# KiCad board jetson-orin-baseboard.kicad_pcb (continued)
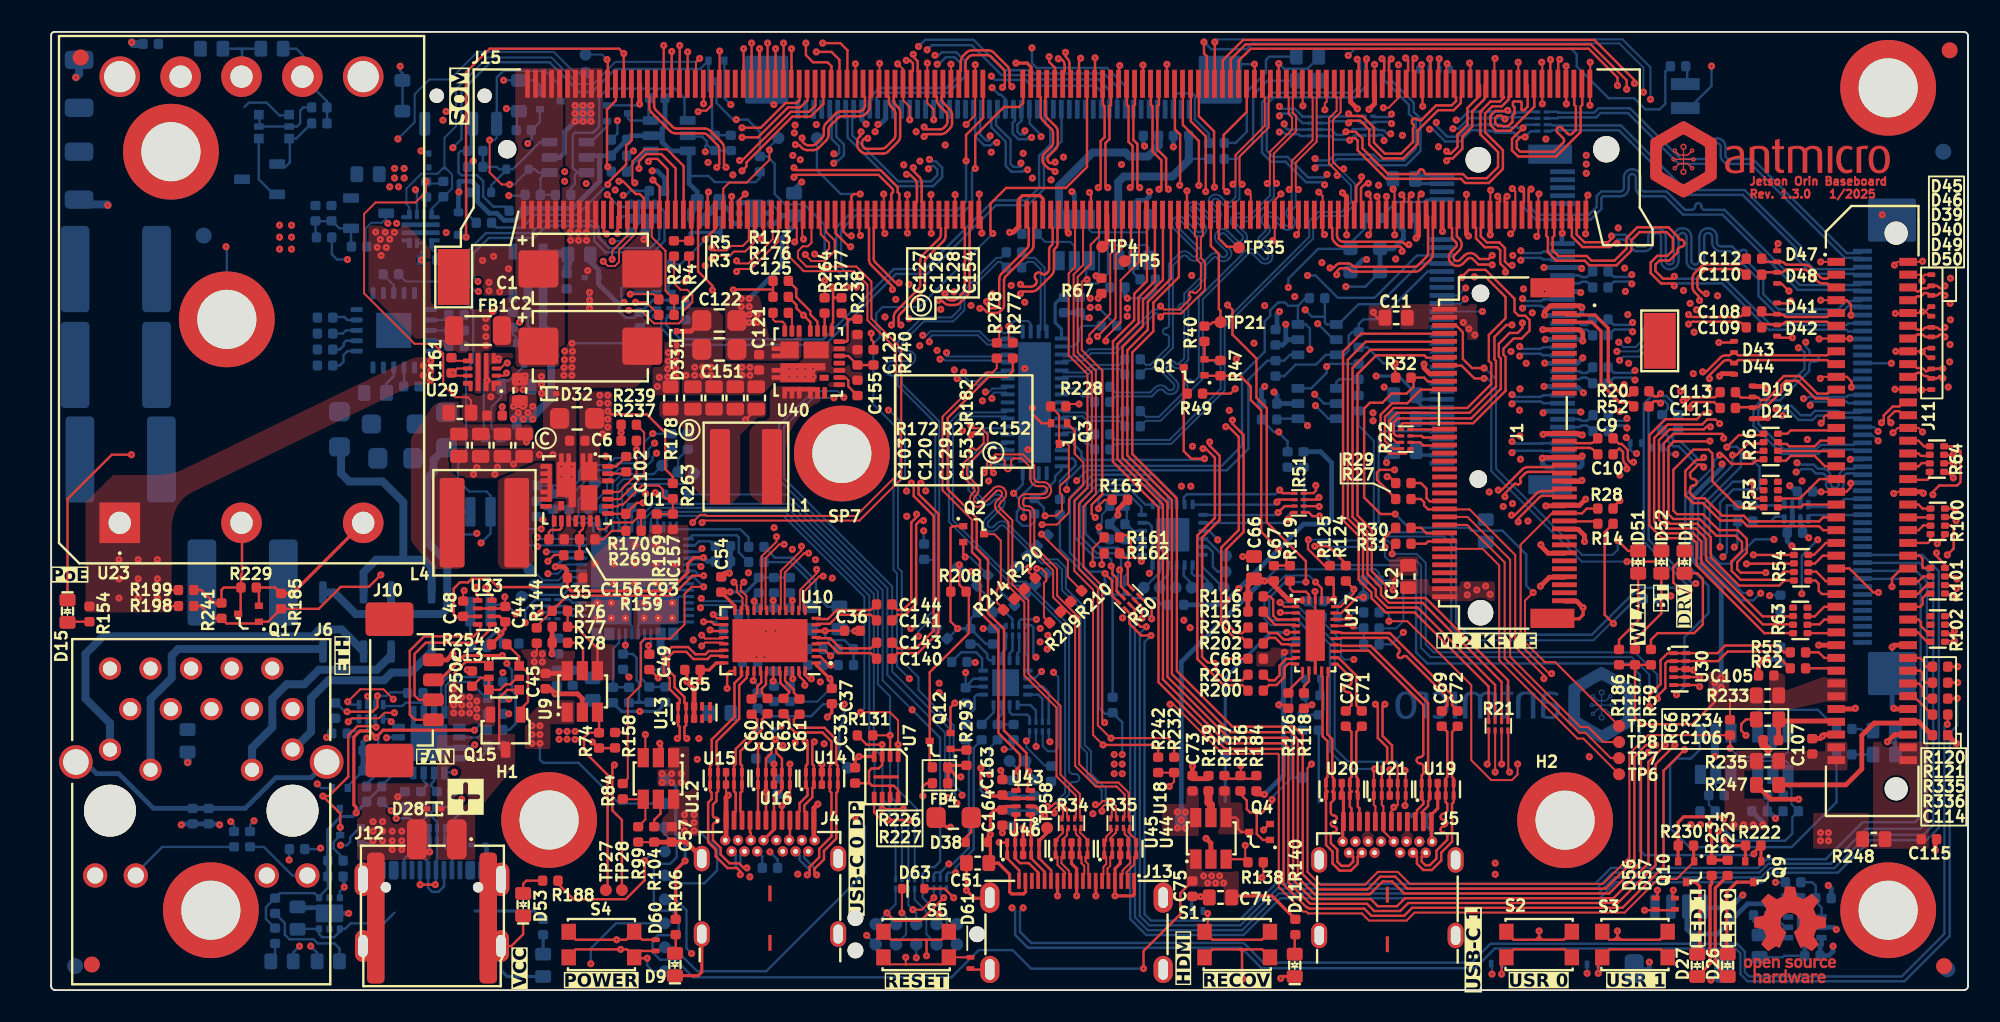
[diagram p0: board, top side]
## Library data of the parts (continued)
R249 R270 = -: Datasheet: https://www.bourns.com/docs/product-datasheets/cr.pdf; Author: Antmicro; License: Apache-2.0; Tolerance: 1%; Val: 100k; OldValue: R_100k_0402; Manufacturer 1: Bourns; Field12: License: Apache-2.0; Field13: Author: Antmicro
R253 = -: Datasheet: https://fscdn.rohm.com/en/products/databook/datasheet/passive/resistor/chip_resistor/pmr-jpw-e.pdf; Author: Antmicro; License: Apache-2.0; Max. Curr.: 22.4A; Tolerance: template_tolerance; Val: 0R; OldValue: R_0R_22.4A_0603; Manufacturer 1: ROHM Semiconductor; Field13: License: Apache-2.0; Field15: Author: Antmicro
R261 = -: Datasheet: https://www.bourns.com/docs/product-datasheets/cr.pdf; Author: Antmicro; License: Apache-2.0; Tolerance: 1%; Val: 200k; OldValue: R_200k_0402; Manufacturer 1: Bourns; Field12: License: Apache-2.0; Field14: Author: Antmicro
R262 = -: Datasheet: https://www.bourns.com/docs/product-datasheets/cr.pdf; Author: Antmicro; License: Apache-2.0; Tolerance: 1%; Val: 4k7; OldValue: R_4k7_0402; Manufacturer 1: Bourns; Field12: Author: Antmicro; Field13: License: Apache-2.0
R263 = -: Datasheet: https://www.bourns.com/docs/product-datasheets/cr.pdf; Description: SMD Chip Resistor, 20 kohm, ± 1%, 62.5 mW, 0402 [1005 Metric], Thick Film, General Purpose; Author: Antmicro; License: Apache-2.0; Tolerance: 1%; Val: 20k; OldValue: R_20k_0402; Manufacturer 1: Bourns; Field12: License: Apache-2.0; Field13: Author: Antmicro
R266 = -: Datasheet: https://www.bourns.com/docs/product-datasheets/cr.pdf; Author: Antmicro; License: Apache-2.0; Tolerance: 1%; Val: 200k; OldValue: R_200k_0402; Manufacturer 1: Bourns; Field13: License: Apache-2.0; Field14: Author: Antmicro
R271 = -: Datasheet: https://www.bourns.com/docs/product-datasheets/cr.pdf; Author: Antmicro; License: Apache-2.0; Tolerance: 1%; Val: 10M; OldValue: R_10M_0402; Manufacturer 1: Bourns; Field13: License: Apache-2.0; Field14: Author: Antmicro
R272 = -: Datasheet: https://www.bourns.com/docs/product-datasheets/cr.pdf; Description: SMD Chip Resistor, 470 kohm, ± 1%, 62.5 mW, 0402 [1005 Metric], Thick Film, Sulfur Resistant; License: Apache-2.0; Author: Antmicro; Val: 470k; Tolerance: 1%; OldValue: R_470k_0402; Manufacturer 1: Bourns; Field12: License: Apache-2.0; Field13: Author: Antmicro
R274 = -: Datasheet: https://www.bourns.com/docs/product-datasheets/cr.pdf; Description: SMD Chip Resistor, 470 kohm, ± 1%, 62.5 mW, 0402 [1005 Metric], Thick Film, Sulfur Resistant; License: Apache-2.0; Author: Antmicro; Val: 470k; Tolerance: 1%; OldValue: R_470k_0402; Manufacturer 1: Bourns; Field12: Author: Antmicro; Field13: License: Apache-2.0
R275 = -: Datasheet: https://www.bourns.com/docs/product-datasheets/cr.pdf; Val: 10k; License: Apache-2.0; Author: Antmicro; Tolerance: 1%; OldValue: R_10k_0402; Manufacturer 1: Bourns; Field13: License: Apache-2.0; Field14: Author: Antmicro
R279 R280 R294 = -: Datasheet: https://www.bourns.com/docs/product-datasheets/cr.pdf; Author: Antmicro; License: Apache-2.0; Tolerance: 1%; Val: 2k2; OldValue: R_2k2_0402; Manufacturer 1: Bourns; Field12: Author: Antmicro; Field13: License: Apache-2.0
REF**#3 REF**#4 = -: Field5: License: Apache-2.0; Field6: Author: Antmicro
S1 S4 = -: Datasheet: http://www.farnell.com/datasheets/2631211.pdf; Author: Antmicro; License: Apache-2.0; OldValue: SW_KMR211NGLFS_SMD; Manufacturer 1: C&K; Field11: Author: Antmicro; Field12: License: Apache-2.0
S2 = -: Datasheet: http://www.farnell.com/datasheets/2631211.pdf; Author: Antmicro; License: Apache-2.0; OldValue: SW_KMR211NGLFS_SMD; Manufacturer 1: C&K; Field11: License: Apache-2.0; Field12: Author: Antmicro
S3 = -: Datasheet: http://www.farnell.com/datasheets/2631211.pdf; Author: Antmicro; License: Apache-2.0; OldValue: SW_KMR211NGLFS_SMD; Manufacturer 1: C&K; Field10: License: Apache-2.0; Field12: Author: Antmicro
S5 = -: Datasheet: http://www.farnell.com/datasheets/2631211.pdf; Author: Antmicro; License: Apache-2.0; OldValue: SW_KMR211NGLFS_SMD; Manufacturer 1: C&K; Field10: Author: Antmicro; Field12: License: Apache-2.0
SP7 = -: Datasheet: https://www.we-online.com/components/products/datasheet/9774025151R.pdf; Author: Antmicro; License: Apache-2.0; OldValue: Spacer_Drill3.7mm_H2.5mm_9774025151R; Manufacturer 1: Würth Elektronik; Field11: License: Apache-2.0; Field12: Author: Antmicro
SP8 = -: Datasheet: https://www.we-online.com/components/products/datasheet/9774025151R.pdf; Author: Antmicro; License: Apache-2.0; OldValue: Spacer_Drill3.7mm_H2.5mm_9774025151R; Manufacturer 1: Würth Elektronik; Field10: Author: Antmicro; Field12: License: Apache-2.0
SW1 = -: Datasheet: https://www.mouser.com/datasheet/2/60/pcm-1841544.pdf; Author: Antmicro; License: Apache-2.0; OldValue: SW_SPDT_PCM12SMTR; Manufacturer 1: C&K; Field11: Author: Antmicro; Field12: License: Apache-2.0
TP1 TP4 TP10 TP14 TP19 TP26 TP32 TP39 TP42 TP56 = -: Author: Antmicro; License: Apache-2.0; Field9: License: Apache-2.0; Field10: Author: Antmicro
TP6 TP8 TP11 TP17 TP27 TP29 TP30 TP33 TP44 TP55 = -: Author: Antmicro; License: Apache-2.0; Field8: Author: Antmicro; Field10: License: Apache-2.0
TP9 TP21 TP58 = -: Author: Antmicro; License: Apache-2.0; Field8: Author: Antmicro; Field9: License: Apache-2.0
TP12 TP22-TP25 TP28 TP36 TP54 TP57 = -: Author: Antmicro; License: Apache-2.0; Field8: License: Apache-2.0; Field10: Author: Antmicro
U1 = -: Datasheet: https://www.vishay.com/docs/74589/sic431.pdf; Author: Antmicro; License: Apache-2.0; Manufacturer 1: Vishay; Field11: License: Apache-2.0; Field12: License:; Field13: Author: Antmicro
U2 = -: Datasheet: https://www.tme.eu/Document/2ad9356043a4952b9021ef50162f8c34/74LVC2G07.pdf; Author: Antmicro; License: Apache-2.0; OldValue: 74LVC2G07_SOT457; Manufacturer 1: Nexperia; Field11: License: Apache-2.0; Field12: Author: Antmicro; ki_fp_filters: SG-74 SOT23-6 TSOP6 SOT457
U3 = -: Datasheet: https://www.tme.eu/Document/2ad9356043a4952b9021ef50162f8c34/74LVC2G07.pdf; Author: Antmicro; License: Apache-2.0; OldValue: 74LVC2G07_SOT457; Manufacturer 1: Nexperia; Field10: Author: Antmicro; Field11: License: Apache-2.0; ki_fp_filters: SG-74 SOT23-6 TSOP6 SOT457
U4 = -: Datasheet: http://www.farnell.com/datasheets/1760723.pdf; Author: Antmicro; License: Apache-2.0; OldValue: NTS0102_XSON; Manufacturer 1: NXP; Field10: License: Apache-2.0; Field11: Author: Antmicro
U5 = -: Datasheet: https://ftdichip.com/wp-content/uploads/2021/10/DS_FT230X.pdf; Author: Antmicro; License: Apache-2.0; OldValue: FT230X_QFN; Manufacturer 1: FTDI Chip; Field10: Author: Antmicro; Field11: License: Apache-2.0
U6 = -: Datasheet: https://www.ti.com/lit/ds/symlink/tps65988.pdf?ts=1662726631004&ref_url=https%253A%252F%252Fwww.ti.com%252Fproduct%252FTPS65988; Author: Antmicro; License: Apache-2.0; Manufacturer 1: Texas Instruments; Field10: License: Apache-2.0; Field11: Author: Antmicro
U7 = -: Datasheet: https://www.mouser.com/datasheet/2/949/w25q80dv_dl_revh_10022015-1489677.pdf; Author: Antmicro; License: Apache-2.0; OldValue: W25Q80DV_USON; Manufacturer 1: Winbond; Field10: License: Apache-2.0; Field11: Author: Antmicro
U8 = -: Datasheet: https://www.onsemi.com/download/data-sheet/pdf/ncp730-d.pdf; Author: Antmicro; License: Apache-2.0; OldValue: NCP730BMT330_WSON; Manufacturer 1: ON Semiconductor; Field10: Author: Antmicro; Field11: License: Apache-2.0
U9 U24 = -: Datasheet: https://www.mouser.com/datasheet/2/115/DIOD_S_A0008958405_1-2543193.pdf; Author: Antmicro; License: Apache-2.0; OldValue: AP22615A_TSOT26; Manufacturer 1: Diodes Incorporated; Field11: License: Apache-2.0; Field12: Author: Antmicro
U10 = -: Datasheet: https://www.ti.com/lit/ds/sllsew2d/sllsew2d.pdf?ts=1662107117482&ref_url=https%253A%252F%252Fwww.google.com%252F; Author: Antmicro; License: Apache-2.0; OldValue: TUSB1046-DCIRNQ; Manufacturer 1: Texas Instruments; Field10: Author: Antmicro; Field12: License: Apache-2.0
U11 U14 U45 U46 = -: Datasheet: https://www.ti.com/lit/ds/symlink/tpd4e05u06-q1.pdf?HQS=dis-mous-null-mousermode-dsf-pf-null-wwe&ts=1663591265741&ref_url=https%253A%252F%252Fwww.mouser.com%252F; Author: Antmicro; License: Apache-2.0; Manufacturer 1: Texas Instruments; Field10: License: Apache-2.0; Field11: Author: Antmicro
U12 U27 = -: Datasheet: https://www.mouser.com/datasheet/2/115/DIOD_S_A0008958405_1-2543193.pdf; Author: Antmicro; License: Apache-2.0; OldValue: AP22615A_TSOT26; Manufacturer 1: Diodes Incorporated; Field10: Author: Antmicro; Field11: License: Apache-2.0
U13 U15 U21 = -: Datasheet: https://www.ti.com/lit/ds/symlink/tpd4e05u06-q1.pdf?HQS=dis-mous-null-mousermode-dsf-pf-null-wwe&ts=1663591265741&ref_url=https%253A%252F%252Fwww.mouser.com%252F; Author: Antmicro; License: Apache-2.0; Manufacturer 1: Texas Instruments; Field11: Author: Antmicro; Field12: License: Apache-2.0
U16 U20 U44 = -: Datasheet: https://www.ti.com/lit/ds/symlink/tpd4e05u06-q1.pdf?HQS=dis-mous-null-mousermode-dsf-pf-null-wwe&ts=1663591265741&ref_url=https%253A%252F%252Fwww.mouser.com%252F; Author: Antmicro; License: Apache-2.0; Manufacturer 1: Texas Instruments; Field11: License: Apache-2.0; Field12: Author: Antmicro
U17 = -: Datasheet: https://www.ti.com/lit/ds/symlink/hd3ss3220.pdf?ts=1663000043694&ref_url=https%253A%252F%252Fwww.google.com%252F; Author: Antmicro; License: Apache-2.0; OldValue: HD3SS3220RNH; Manufacturer 1: Texas Instruments; Field10: License: Apache-2.0; Field11: Author: Antmicro
U18 U25 U28 = -: Datasheet: https://www.mouser.com/datasheet/2/115/DIOD_S_A0008958405_1-2543193.pdf; Author: Antmicro; License: Apache-2.0; OldValue: AP22615A_TSOT26; Manufacturer 1: Diodes Incorporated; Field11: Author: Antmicro; Field12: License: Apache-2.0
U19 = -: Datasheet: https://www.ti.com/lit/ds/symlink/tpd4e05u06-q1.pdf?HQS=dis-mous-null-mousermode-dsf-pf-null-wwe&ts=1663591265741&ref_url=https%253A%252F%252Fwww.mouser.com%252F; Author: Antmicro; License: Apache-2.0; Manufacturer 1: Texas Instruments; Field10: Author: Antmicro; Field12: License: Apache-2.0
U22 = -: Datasheet: https://www.ti.com/lit/ds/symlink/tps2372.pdf?ts=1679042478513&ref_url=https%253A%252F%252Fwww.google.com%252F; Author: Antmicro; License: Apache-2.0; Manufacturer 1: Texas Instruments; Field10: Author: Antmicro; Field11: License: Apache-2.0
U23 = -: Datasheet: https://www.murata.com/products/productdata/8807040286750/uls.pdf?1649388617000; Description: Isolated Through Hole DC/DC Converter, ITE, 2:1, 60 W, 1 Output, 12 V, 5 A; Author: Antmicro; License: Apache-2.0; Alternatives 50W: VCB4812SBO-50WR3, V36SE12004NRFA, PKU5513ESI, KHHD004A2B41Z; Alternatives 75W: VCB4812SBO-75WR3; Alternatives 100W: PKU4913DPIHS, VCB4812SBO-100WFR3; Alternatives 120W: PQC50-48-S12-O; OldValue: ULS-12_5-D48N-C; Manufacturer 1: Murata; Field14: License: Apache-2.0; Field16: Author: Antmicro
U26 = -: Datasheet: https://www.mouser.com/datasheet/2/115/DIOD_S_A0003139195_1-2542233.pdf; Author: Antmicro; License: Apache-2.0; Manufacturer 1: Diodes Incorporated; Field10: License: Apache-2.0; Field11: Author: Antmicro
U29 U48 = -: Datasheet: https://www.ti.com/lit/ds/symlink/lm7310.pdf?ts=1736756241527&ref_url=https%253A%252F%252Fwww.ti.com%252Fpower-management%252Fpower-switches%252Fideal-diodes-oring-controllers%252Fproducts.html%253FkeyMatch%253Dideal+diode%2526tisearch%253Duniversal_search; Description: Integrated Ideal Diode, 5.5A, 23V, -40 to 125 Deg C, VQFN-HR-10; Author: Antmicro; License: Apache-2.0; OldValue: LM73100; Manufacturer 1: Texas Instruments; Field11: Author: Antmicro; Field12: License: Apache-2.0
U30 = -: Datasheet: https://www.ti.com/lit/ds/symlink/tpd4e05u06-q1.pdf?HQS=dis-mous-null-mousermode-dsf-pf-null-wwe&ts=1663591265741&ref_url=https%253A%252F%252Fwww.mouser.com%252F; Author: Antmicro; License: Apache-2.0; Manufacturer 1: Texas Instruments; Field10: Author: Antmicro; Field11: License: Apache-2.0
U31 U32 = -: Datasheet: http://www.farnell.com/datasheets/1760723.pdf; Author: Antmicro; License: Apache-2.0; OldValue: NTS0102_XSON; Manufacturer 1: NXP; Field10: License: Apache-2.0; Field12: Author: Antmicro
U33 = -: Datasheet: http://www.farnell.com/datasheets/1760723.pdf; Author: Antmicro; License: Apache-2.0; OldValue: NTS0102_XSON; Manufacturer 1: NXP; Field10: Author: Antmicro; Field12: License: Apache-2.0
U34 = -: Datasheet: https://eu.mouser.com/datasheet/2/302/PCAL6408A-3139197.pdf; Author: Antmicro; License: Apache-2.0; OldValue: PCAL6408A_VQFN; Manufacturer 1: NXP; Field11: License: Apache-2.0; Field12: Author: Antmicro
U35 = -: Datasheet: https://www.mouser.com/datasheet/2/115/DIOD_S_A0010880137_1-2543666.pdf; Author: Antmicro; License: Apache-2.0; OldValue: AP22653_DFN; Manufacturer 1: Diodes Incorporated; Field10: License: Apache-2.0; Field12: Author: Antmicro
U36 = -: Datasheet: https://www.ti.com/lit/ds/symlink/ts3dv642-q1.pdf?ts=1676983005656&ref_url=https%253A%252F%252Fwww.ti.com%252Fproduct%252FTS3DV642-Q1; Description: Special purpose interface switch; Author: Antmicro; License: Apache-2.0; Manufacturer 1: Texas Instruments; Field10: License: Apache-2.0; Field12: Author: Antmicro
U37 = -: Datasheet: https://assets.nexperia.com/documents/data-sheet/74LVC2G14.pdf; Author: Antmicro; License: Apache-2.0; OldValue: 74LVC2G14_SOT457; Manufacturer 1: Nexperia; Field10: Author: Antmicro; Field12: License: Apache-2.0
U38 = -: Datasheet: https://www.mouser.com/datasheet/2/916/74LVC1G175-1480578.pdf; Author: Antmicro; License: Apache-2.0; OldValue: 74LVC1G175_SOT457; Manufacturer 1: Nexperia; Field11: License: Apache-2.0; Field12: Author: Antmicro
U39 = -: Datasheet: https://docs.broadcom.com/doc/AV02-0470EN; Description: Broadcom ACPL-217-500E DC Input Transistor Output Optocoupler, Surface Mount, 4-Pin SO; Author: Antmicro; License: Apache-2.0; Manufacturer 1: Broadcom; Field11: Author: Antmicro; Field12: License: Apache-2.0
U40 = -: Datasheet: https://www.vishay.com/docs/74589/sic431.pdf; Author: Antmicro; License: Apache-2.0; Manufacturer 1: Vishay; Field10: License: Apache-2.0; Field11: License:; Field12: Author: Antmicro
U41 = -: Datasheet: https://www.onsemi.com/download/data-sheet/pdf/ncp730-d.pdf; Author: Antmicro; License: Apache-2.0; OldValue: NCP730BMT330_WSON; Manufacturer 1: ON Semiconductor; Field10: License: Apache-2.0; Field11: Author: Antmicro
U42 = -: Datasheet: https://www.ti.com/lit/ds/symlink/tps7a05.pdf?ts=1678973651768&ref_url=https%253A%252F%252Fwww.google.com%252F; Author: Antmicro; License: Apache-2.0; OldValue: TPS7A0518P_SOT23-5; Manufacturer 1: Texas Instruments; Field11: License: Apache-2.0; Field12: Author: Antmicro
U43 = -: Datasheet: http://www.farnell.com/datasheets/1760723.pdf; Author: Antmicro; License: Apache-2.0; OldValue: NTS0102_XSON; Manufacturer 1: NXP; Field10: Author: Antmicro; Field11: License: Apache-2.0
U47 = -: Datasheet: http://www.farnell.com/datasheets/1760723.pdf; Author: Antmicro; License: Apache-2.0; OldValue: NTS0102_XSON; Manufacturer 1: NXP; Field11: Author: Antmicro; Field12: License: Apache-2.0
Y1 = -: Datasheet: https://ecsxtal.com/store/pdf/ECS-327MVATX.pdf; Author: Antmicro; License: Apache-2.0; Val: 32.768 kHz; OldValue: Oscillator_32.768kHz_ECS_2520MV; Manufacturer 1: ECS Inc. International; Field12: Author: Antmicro; Field13: License: Apache-2.0

## Footprints (pads in the part's own frame, mm; a bottom-side part is the same pattern mirrored in y, then rotated)
Bus_M.2_Socket_Key_E_TE_2199230-6
  round 1.1 hole 1.1 unplated: (-9.999,-1.499)
  round 1.6 hole 1.6 unplated: (9.999,-1.499)
  rect 0.3x1.55 smd: 1(-9.249,3.749) 2(-9.001,-3.749) 3(-8.751,3.749) 4(-8.501,-3.749) 5(-8.251,3.749) 6(-8,-3.749) 7(-7.75,3.749) 8(-7.5,-3.749) 9(-7.25,3.749) 10(-7,-3.749) 11(-6.75,3.749) 12(-6.5,-3.749) 13(-6.25,3.749) 14(-6,-3.749) 15(-5.75,3.749) 16(-5.5,-3.749) 17(-5.25,3.749) 18(-5.001,-3.749) 19(-4.751,3.749) 20(-4.501,-3.749) 21(-4.251,3.749) 22(-4.001,-3.749) 23(-3.75,3.749) 32(-1.5,-3.749) 33(-1.25,3.749) 34(-1,-3.749) 35(-0.75,3.749) 36(-0.5,-3.749) 37(-0.25,3.749) 38(0,-3.749) 39(0.25,3.749) 40(0.5,-3.749) 41(0.75,3.749) 42(1,-3.749) 43(1.25,3.749) 44(1.5,-3.749) 45(1.75,3.749) 46(2,-3.749) 47(2.25,3.749) 48(2.5,-3.749) 49(2.75,3.749) 50(3,-3.749) 51(3.25,3.749) 52(3.5,-3.749) 53(3.75,3.749) 54(4,-3.749) 55(4.25,3.749) 56(4.5,-3.749) 57(4.75,3.749) 58(5,-3.749) 59(5.25,3.749) 60(5.5,-3.749) 61(5.75,3.749) 62(6,-3.749) 63(6.25,3.749) 64(6.5,-3.749) 65(6.75,3.749) 66(6.999,-3.749) 67(7.249,3.749) 68(7.499,-3.749) 69(7.749,3.749) 70(7.999,-3.749) 71(8.249,3.749) 72(8.499,-3.749) 73(8.749,3.749) 74(8.999,-3.749) 75(9.249,3.749)
  rect 1.2x2.75 smd: MP(-10.35,3.001) MP(10.351,3.001)
Bus_M.2_Socket_Key_M_TE_1-2199230-6
  round 1.1 hole 1.1 unplated: (-10,-1.499)
  round 1.6 hole 1.6 unplated: (9.997,-1.499)
  rect 0.3x1.55 smd: 1(-9.25,3.775) 2(-9.003,-3.773) 3(-8.753,3.775) 4(-8.503,-3.773) 5(-8.253,3.775) 6(-8.001,-3.773) 7(-7.752,3.775) 8(-7.502,-3.773) 9(-7.252,3.775) 10(-7.002,-3.773) 11(-6.752,3.775) 12(-6.502,-3.773) 13(-6.252,3.775) 14(-6.002,-3.773) 15(-5.752,3.775) 16(-5.502,-3.773) 17(-5.252,3.775) 18(-5.002,-3.773) 19(-4.752,3.775) 20(-4.502,-3.773) 21(-4.252,3.775) 22(-4.002,-3.773) 23(-3.751,3.775) 24(-3.501,-3.773) 25(-3.251,3.775) 26(-3.001,-3.773) 27(-2.751,3.775) 28(-2.501,-3.773) 29(-2.251,3.775) 30(-2.001,-3.773) 31(-1.752,3.775) 32(-1.502,-3.773) 33(-1.252,3.775) 34(-1.002,-3.773) 35(-0.751,3.775) 36(-0.501,-3.773) 37(-0.251,3.775) 38(-0.001,-3.773) 39(0.248,3.775) 40(0.498,-3.773) 41(0.748,3.775) 42(0.998,-3.773) 43(1.249,3.775) 44(1.499,-3.773) 45(1.749,3.775) 46(1.999,-3.773) 47(2.249,3.775) 48(2.499,-3.773) 49(2.749,3.775) 50(2.999,-3.773) 51(3.249,3.775) 52(3.499,-3.773) 53(3.749,3.775) 54(3.999,-3.773) 55(4.248,3.775) 56(4.498,-3.773) 57(4.748,3.775) 58(4.998,-3.773) 67(7.248,3.775) 68(7.498,-3.773) 69(7.748,3.775) 70(7.998,-3.773) 71(8.247,3.775) 72(8.497,-3.773) 73(8.747,3.775) 74(8.997,-3.773) 75(9.247,3.775)
  rect 1.2x2.75 smd: MP1(-10.352,3) MP2(10.349,3)
C_0402_1005Metric
  rrect 0.59x0.64 smd: 1(-0.48,0) 2(0.48,0)
C_0603_1608Metric
  rrect 0.8x1 smd: 1(-0.7,0) 2(0.7,0)
C_0603_1608Metric_EIA
  rrect 0.8x1.1 smd: 1(-0.7,0) 2(0.7,0)
C_0805_2012Metric
  rrect 1.2x1.3 smd: 1(-1.1,0) 2(1.1,0)
C_1206_3216Metric
  rrect 1.15x1.8 smd: 1(-1.5,-0.001) 2(1.5,-0.001)
C_2220_5650Metric
  rrect 1.8x5.4 smd: 1(-2.55,0) 2(2.55,0)
C_Pol_EIA-X
  rrect 2.5x2.33 smd: 1(-3.25,0) 2(3.25,0)
Conn_FFC_WE_68715014x22
  rrect 0.3x1.2 smd: 1(-12.25,2.15) 2(-11.75,2.15) 3(-11.25,2.15) 4(-10.75,2.15) 5(-10.25,2.15) 6(-9.75,2.15) 7(-9.25,2.15) 8(-8.75,2.15) 9(-8.25,2.15) 10(-7.75,2.15) 11(-7.25,2.15) 12(-6.75,2.15) 13(-6.25,2.15) 14(-5.75,2.15) 15(-5.25,2.15) 16(-4.75,2.15) 17(-4.25,2.15) 18(-3.75,2.15) 19(-3.25,2.15) 20(-2.75,2.15) 21(-2.25,2.15) 22(-1.75,2.15) 23(-1.25,2.15) 24(-0.75,2.15) 25(-0.25,2.15) 26(0.248,2.15) 27(0.748,2.15) 28(1.249,2.15) 29(1.749,2.15) 30(2.249,2.15) 31(2.749,2.15) 32(3.249,2.15) 33(3.749,2.15) 34(4.248,2.15) 35(4.748,2.15) 36(5.248,2.15) 37(5.749,2.15) 38(6.249,2.15) 39(6.749,2.15) 40(7.249,2.15) 41(7.749,2.15) 42(8.249,2.15) 43(8.749,2.15) 44(9.249,2.15) 45(9.749,2.15) 46(10.249,2.15) 47(10.749,2.15) 48(11.249,2.15) 49(11.749,2.15) 50(12.249,2.15)
  rrect 2.7x3 smd: MP1(-14.198,0.3) MP2(14.198,0.3)
Conn_JST_SH_1x4_SM04B-SRSS-TB-LF-SN
  rrect 0.6x1.55 smd: 1(-1.5,2.12) 2(-0.5,2.12) 3(0.5,2.12) 4(1.5,2.12)
  rrect 1.2x1.8 smd: MP(-2.8,-1.755) MP(2.8,-1.755)
Conn_Molex_Nano-Fit_1x2_SMD_1054301202
  rrect 1.24x2.5 smd: 1(1.528,4.901) 2(-0.97,4.901)
  rrect 1.1x8.2 smd: MP(-3.54,-0.029) MP(3.499,-0.029)
Conn_Molex_PicoBlade_1x4_0533980471
  rrect 0.8x1.3 smd: 1(-1.875,1.75) 2(-0.625,1.75) 3(0.623,1.75) 4(1.874,1.75)
  rrect 2.1x3 smd: MP1(-4.425,-0.998) MP2(4.424,-0.998)
Conn_Socket_Samtec_ERF8_2x40_ERF8-040-05.0-L-DV-K-TR
  round 1.45 hole 1.45 unplated: (-17.4,1.499) (17.399,1.499)
  rect 0.5x1.1 smd: 1(-15.599,-2.249) 2(-15.599,2.249) 3(-14.801,-2.249) 4(-14.801,2.249) 5(-14,-2.249) 6(-14,2.249) 7(-13.199,-2.249) 8(-13.199,2.249) 9(-12.401,-2.249) 10(-12.401,2.249) 11(-11.599,-2.249) 12(-11.599,2.249) 13(-10.801,-2.249) 14(-10.801,2.249) 15(-10,-2.249) 16(-10,2.249) 17(-9.199,-2.249) 18(-9.199,2.249) 19(-8.401,-2.249) 20(-8.401,2.249) 21(-7.6,-2.249) 22(-7.6,2.249) 23(-6.8,-2.249) 24(-6.8,2.249) 25(-5.999,-2.249) 26(-5.999,2.249) 27(-5.201,-2.249) 28(-5.201,2.249) 29(-4.401,-2.249) 30(-4.401,2.249) 31(-3.601,-2.249) 32(-3.601,2.249) 33(-2.799,-2.249) 34(-2.799,2.249) 35(-2,-2.249) 36(-2,2.249) 37(-1.2,-2.249) 38(-1.2,2.249) 39(-0.401,-2.249) 40(-0.401,2.249) 41(0.401,-2.249) 42(0.401,2.249) 43(1.199,-2.249) 44(1.199,2.249) 45(1.999,-2.249) 46(1.999,2.249) 47(2.799,-2.249) 48(2.799,2.249) 49(3.6,-2.249) 50(3.6,2.249) 51(4.4,-2.249) 52(4.4,2.249) 53(5.2,-2.249) 54(5.2,2.249) 55(5.999,-2.249) 56(5.999,2.249) 57(6.799,-2.249) 58(6.799,2.249) 59(7.599,-2.249) 60(7.599,2.249) 61(8.4,-2.249) 62(8.4,2.249) 63(9.199,-2.249) 64(9.199,2.249) 65(9.999,-2.249) 66(9.999,2.249) 67(10.8,-2.249) 68(10.8,2.249) 69(11.599,-2.249) 70(11.599,2.249) 71(12.4,-2.249) 72(12.4,2.249) 73(13.199,-2.249) 74(13.199,2.249) 75(13.999,-2.249) 76(13.999,2.249) 77(14.8,-2.249) 78(14.8,2.249) 79(15.599,-2.249) 80(15.599,2.249)
Conv_Murata_ULS-60W
  rect 2.54x2.54 hole 1.4: 1(0,0)
  round 2.54 hole 1.4: 2(0,-7.62) 3(0,-15.24) 5(27.94,-11.43) 6(27.94,-7.62) 7(27.94,-3.81)
  round 2.54 hole 1.956: 4(27.94,-15.24) 8(27.94,0)
D_SOD-123F
  rrect 1.2x1.2 smd: 1(-1.401,0) 2(1.398,0)
DFN3538
  rrect 0.48x1.4 smd: 1(-1.27,1.85) 2(1.27,1.85) 3(-1.27,-1.85) 4(1.27,-1.85)
DFN-6-1EP_2x2mm_P0.65mm_EP1x1.6mm
  rect 0.82x0.63 smd: (0,-0.4) (0,0.402)
  rect 0.65x0.35 smd: 1(-1.051,0.652) 2(-1.051,0) 3(-1.051,-0.65) 4(1.05,-0.65) 5(1.05,0) 6(1.05,0.652)
  rect 1x1.6 smd: 7(0,0)
FB_0805_2012Metric
  rrect 1.2x1.3 smd: 1(-1.1,0) 2(1.1,0)
FB_1206_3216Metric
  rrect 1.15x1.8 smd: 1(-1.5,-0.001) 2(1.5,-0.001)
Fiducial_1mm_Mask2mm
  round 1 smd: (0,0)
HDMI-Mini-C_Receptacle_WE_685119136923
  rect 0.23x1 smd: 1(3.6,3.4) 2(3.2,3.4) 3(2.798,3.4) 4(2.398,3.4) 5(1.999,3.4) 6(1.6,3.4) 7(1.199,3.4) 8(0.8,3.4) 9(0.4,3.4) 10(0,3.4) 11(-0.402,3.4) 12(-0.802,3.4) 13(-1.2,3.4) 14(-1.601,3.4) 15(-2,3.4) 16(-2.4,3.4) 17(-2.801,3.4) 18(-3.202,3.4) 19(-3.601,3.4)
  oval 1.2x1.9 hole 0.6x1.3: SH(-5.425,2.35) SH(5.424,2.35)
  oval 1.2x1.7 hole 0.6x1.3: SH(-5.425,-2.15) SH(5.424,-2.15)
IC_TPS65987DDHRSHR
  rrect 0.8x0.65 smd: 1(-3.351,2.4) 3(-3.351,1.601) 11(-3.351,-1.6) 13(-3.351,-2.398)
  rrect 0.7x0.2 smd: 5(-3.351,1) 6(-3.351,0.6) 7(-3.351,0.202) 8(-3.351,-0.2) 9(-3.351,-0.598) 10(-3.351,-0.998) 29(3.35,-2.6) 30(3.35,-2.2) 31(3.35,-1.8) 32(3.35,-1.398) 33(3.35,-0.998) 34(3.35,-0.598) 35(3.35,-0.2) 36(3.35,0.202) 37(3.35,0.6) 38(3.35,1) 39(3.35,1.401) 40(3.35,1.801) 41(3.35,2.202) 42(3.35,2.601)
  rrect 0.2x0.7 smd: 15(-2.601,-3.35) 16(-2.202,-3.35) 17(-1.801,-3.35) 18(-1.401,-3.35) 19(-1,-3.35) 20(-0.6,-3.35) 21(-0.202,-3.35) 22(0.2,-3.35) 23(0.598,-3.35) 24(0.998,-3.35) 25(1.398,-3.35) 26(1.8,-3.35) 27(2.2,-3.35) 28(2.6,-3.35) 43(2.6,3.351) 44(2.2,3.351) 45(1.8,3.351) 46(1.398,3.351) 47(0.998,3.351) 48(0.598,3.351) 49(0.2,3.351) 50(-0.202,3.351) 51(-0.6,3.351) 52(-1,3.351) 53(-1.401,3.351) 54(-1.801,3.351) 55(-2.202,3.351) 56(-2.601,3.351)
  round 0.45 hole 0.1: 57(-2.351,0.576) 57(-2.351,1.45) 57(-2.351,2.327) 57(-1.401,0.577) 57(-1.401,1.45) 57(-1.401,2.327) 58(-2.351,-2.35) 58(-2.351,-1.475) 58(-2.351,-0.598) 58(-1.401,-2.349) 58(-1.401,-1.475) 58(-1.401,-0.598) 59(-0.152,-1.322) 59(-0.15,0) 59(-0.15,1.321) 59(1.048,-2.496) 59(1.048,-1.322) 59(1.048,1.327) 59(1.048,2.504) 59(1.05,0) 59(2.248,-1.322) 59(2.248,0.001) 59(2.248,1.327)
  rrect 1.75x2.6 smd: 57(-1.875,1.45)
  rrect 1.75x2.55 smd: 58(-1.875,-1.475)
  rrect 3.4x5.5 smd: 59(1.05,0)
L_Bourns-SRP5030CA
  rrect 1.25x4.7 smd: 1(-1.625,0) 2(1.625,0)
L_Bourns-SRP6050CA
  rrect 1.55x5.6 smd: 1(-2.025,0) 2(2.025,0)
LED_0603_1608Metric_G
  rrect 0.8x1 smd: 1(-0.7,0) 2(0.7,0)
MLP44-24L_4x4x0.75mm
  rrect 0.725x0.3 smd: 1(-1.94,0.825) 2(-1.94,0.375) 3(-1.94,-0.525) 4(-1.94,-0.975) 11(1.94,-1.425) 12(1.94,-0.975) 13(1.94,-0.525) 14(1.94,-0.075) 15(1.94,0.375) 16(1.94,0.825) 17(1.94,1.275)
  custom 2.35x0.725 smd: 5(-1.475,-1.94)
  rrect 0.3x0.725 smd: 6(-1.025,-1.94) 7(-0.575,-1.94) 8(0.125,-1.94) 9(0.575,-1.94) 10(1.025,-1.935) 18(1.475,1.94) 19(1.025,1.94) 20(0.575,1.94) 21(0.125,1.94) 22(-0.575,1.94) 23(-1.025,1.94) 24(-1.475,1.94)
  rect 1.575x1.05 smd: 25(0.49,0.75)
  rect 1.15x1.05 smd: 26(-1.175,0.75)
  custom 2.825x1.2 smd: 27(-0.75,-0.775)
  rect 0.58x0.38 smd: 28(0.985,-0.99)
MS621FE-FL11E
  rect 0.75x1.8 smd: 1(-0.75,4.05) 2(0.75,4.05)
Oscillator_SMD_ECS_2520MV_2.5x2mm
  rrect 0.8x0.9 smd: 1(-0.725,0.927) 2(-0.725,-0.925) 3(0.723,-0.925) 4(0.723,0.927)
PCM12SMTR
  round 0.9 hole 0.9 unplated: (-1.502,-0.049) (1.499,-0.049)
  rrect 0.7x1.5 smd: 1(-2.25,1.7) 2(0.749,1.7) 3(2.248,1.7)
  rrect 1x0.8 smd: S1(-3.651,0.915) S2(-3.651,-1.013) S3(3.65,-1.013) S4(3.65,0.915)
QFN-16-1EP_4x4mm_P0.65mm
  rect 0.8x0.4 smd: 1(-1.9,0.975) 2(-1.9,0.325) 3(-1.9,-0.325) 4(-1.9,-0.975) 9(1.9,-0.975) 10(1.9,-0.325) 11(1.9,0.325) 12(1.9,0.975)